# KiCad board pcb.kicad_pcb (continued)
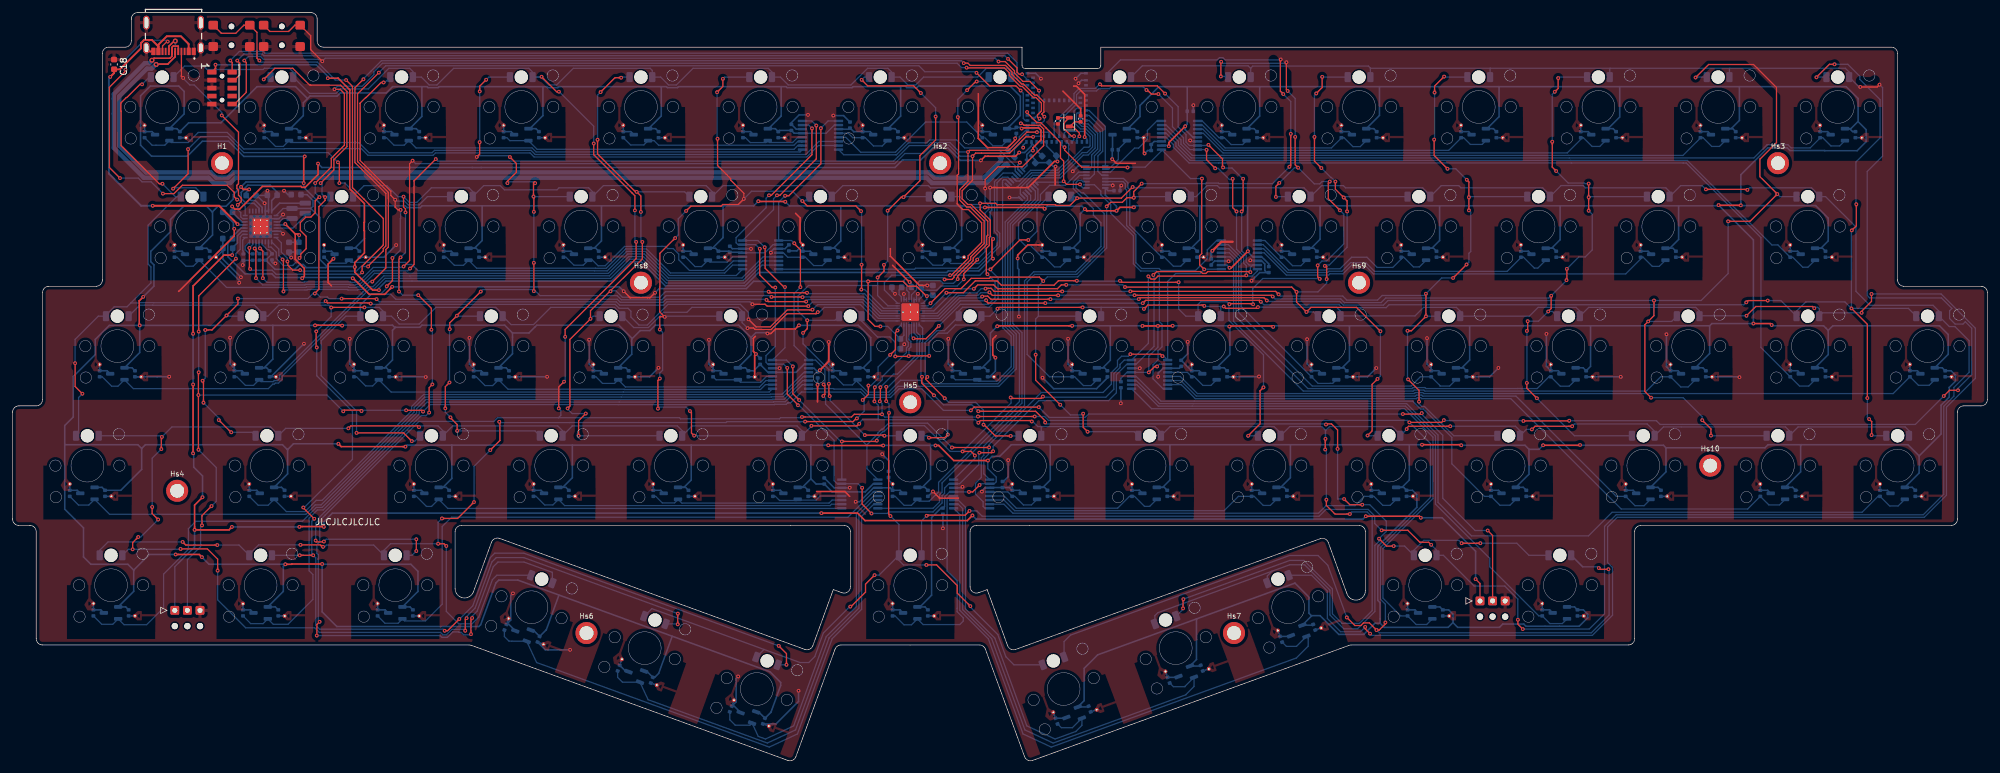
[diagram p0: board, top side]
## Routing (per net, layer and track width the routed paths; a pad name or vN(x,y) marks a point on that pad's centre or on a via; arc(x,y) is an arc through that point) (continued)
/SW0: length 925.5
  Top w0.2: v1(48.29,19.84) 48.31,19.86 48.31,21.6 v1(48.74,22.03) ; v1(239.84,53.95) 247.07,53.95 v1(247.11,53.99) ; v1(125.31,54.58) 133.18,54.58 133.61,55.01 v1(138.02,55.01) ; v1(98.79,87.42) 98.79,89.73 92.25,96.27 v1(92.25,98.05) ; v1(72.77,20.07) 72.77,22.46 v1(72.95,22.64) ; v1(296.38,107.4) 296.01,107.03 v1(293.31,107.03) ; v1(221.73,53.73) 226.86,53.73 v1(227.22,54.08) ; v1(87.72,67.32) 87.72,68.5 98.99,79.77 v1(98.99,82.4) ; v1(253.34,30.39) 252,30.39 v1(251.81,30.58) ; v1(211.8,22.73) 213.09,21.44 214.03,21.44 214.45,21.86 215.38,21.86 v1(216.53,20.72) 216.94,20.72 217.93,21.7 v1(217.93,21.93) ; v1(137.66,57.07) 137.76,57.17 v1(137.76,59.31) ; v1(86.7,55.95) 86.7,59.35 v1(87.54,60.19) ; v1(306.57,57.91) 307.49,58.83 v1(308.83,58.83) ; v1(83.98,108.65) 86.36,106.27 v1(86.73,106.27) ; v1(162.26,54.66) v1(153.25,54.66)
  Bottom w0.2: v1(251.81,30.58) 251.62,30.77 249.25,30.77 D70.2 249.25,30.77 ; D13.2 253.55,109.94 253.61,110 ; v1(92.25,98.05) 92.25,100.79 86.77,106.27 v1(86.73,106.27) ; D11.2 215.55,109.97 215.58,110 ; 272.6,110 272.55,109.95 D14.2 ; 272.6,110 253.61,110 ; 272.6,110 290.95,110 291.55,109.4 D15.2 293.12,107.03 v1(293.31,107.03) ; v1(137.76,59.31) 139.85,61.39 140.47,61.39 143.56,64.49 143.56,66.7 143.67,66.81 143.67,67.35 143.1,67.92 LEDDR1.11 ; v1(211.8,22.73) 208.78,31.03 207.24,32.57 202.7,32.57 167.94,19.91 166.92,18.89 D66.2 ; 253.61,110 234.57,110 ; v1(87.72,67.32) 87.72,60.37 v1(87.54,60.19) ; v1(153.25,54.66) 153.15,54.56 138.47,54.56 v1(138.02,55.01) 138.02,56.71 v1(137.66,57.07) ; 234.57,110 215.58,110 ; 234.57,110 234.55,109.98 D12.2 ; v1(306.57,57.91) 302.06,53.4 261.54,53.4 260.95,53.99 v1(247.11,53.99) ; D9.2 179.34,110.39 196.14,110.39 196.53,110 ; v1(72.77,20.07) 72.66,19.96 71.61,19.96 71.22,20.35 70.88,20.35 70.8,20.43 69.89,20.43 69.02,19.56 68.16,19.56 67.87,19.84 v1(48.29,19.84) ; D8.2 158.55,109.4 157.95,110 154.6,110 153.2,108.6 144.62,108.6 143.37,107.34 142.13,107.34 140.88,108.6 D7.2 139.55,109.4 138.95,110 135.74,110 133.08,107.34 123.13,107.34 121.88,108.6 D6.2 120.55,109.4 119.95,110 108.02,110 105.37,107.34 104.13,107.34 102.88,108.6 D5.2 101.55,109.65 101.2,110 89.02,110 86.37,107.34 85.13,107.34 83.88,108.6 D4.2 83.93,108.6 v1(83.98,108.65) ; v1(162.26,54.66) 163.83,54.66 164.45,54.04 221.42,54.04 v1(221.73,53.73) 225.08,50.38 225.08,41.78 217.15,33.85 217.15,25.61 217.93,24.83 v1(217.93,21.93) ; D1.2 27.3,110.35 30.35,110.35 30.89,109.8 39.78,109.8 39.97,110 43.95,110 44.55,109.4 D2.2 47.14,106.01 51.35,106.01 52.06,106.72 56.5,106.72 56.5,106.76 59.74,110 63.04,110 63.55,109.49 D3.2 64.88,108.6 66.13,107.34 67.37,107.34 70.02,110 81.95,110 82.55,109.4 ; 86.66,54.47 87.03,54.84 87.03,55.62 v1(86.7,55.95) ; 86.66,54.47 76.99,54.47 76.4,53.88 64.51,53.88 49.64,39 48.94,38.31 48.94,37.96 48.76,37.79 48.76,34.74 48.31,34.29 48.31,32.92 48.53,32.7 48.53,22.24 v1(48.74,22.03) ; 86.66,54.47 105.86,54.47 106.04,54.29 121.74,54.29 121.92,54.47 125.2,54.47 v1(125.31,54.58) ; 196.53,110 196.55,109.98 D10.2 ; 196.53,110 196.88,110.35 215.23,110.35 215.58,110 ; v1(253.34,30.39) 253.44,30.29 253.44,23.1 250.62,20.28 216.97,20.28 v1(216.53,20.72) ; v1(98.79,87.42) 98.79,82.6 v1(98.99,82.4) ; v1(72.95,22.64) 72.95,22.92 73.74,23.72 76.32,30.79 77.05,31.52 81.19,31.52 85.66,29.89 85.69,29.86 D62.2 ; v1(227.22,54.08) 227.29,54.01 239.78,54.01 v1(239.84,53.95) ; v1(296.38,107.4) 296.86,106.92 296.86,96.04 294.42,93.6 294.42,73.89 294.81,73.5 306.21,73.5 307.87,71.84 307.5,71.47 307.5,70.22 308.38,69.34 309.62,69.34 309.99,69.71 311.01,68.7 311.01,61.31 308.83,59.13 v1(308.83,58.83)
/SW1: length 687.6
  Top w0.2: v1(145.1,38.88) 145.21,38.99 151.25,38.99 v1(151.91,39.65) ; v1(27.85,97.15) 27.86,97.14 27.86,93.24 v1(25.48,90.86) ; v1(64.09,33.28) v1(64.09,35.15) ; v1(61.59,79.95) 61.34,79.7 v1(61.34,74.52) ; v1(66.48,68.46) 66.48,71.86 v1(64.4,73.94) ; v1(275.4,90.67) 275.31,90.76 v1(268.81,90.76) ; v1(217.33,36.57) 221.5,36.57 223.4,34.67 224.79,34.67 v1(225.2,34.27) ; v1(177.82,91.13) 177.78,91.13 176,89.35 v1(168.99,89.35) 167.84,88.19 165.67,88.19 165.56,88.31 156.28,88.31 156.05,88.54 v1(153.59,88.54) 153.59,87.49 155.21,85.87 155.21,83.29 155.04,83.12 155.04,81.83 154.58,81.37 154.58,77.44 v1(154.75,77.27) ; v1(51.87,91.75) 51.87,94.82 v1(51.65,95.05) ; v1(66.64,59.76) 66.13,59.24 v1(66.13,55.28) ; v1(238.96,22.35) 238.96,21.66 v1(239.74,20.88) ; v1(143.02,67.08) 143.09,67.01 145,67.01 v1(147.04,69.05) ; v1(48.11,34.94) 48.11,34.8 48.19,34.73 49.36,34.73 v1(49.42,34.78) ; v1(62.37,87.1) 62.37,87.63 62.06,87.94 v1(62.06,89.6)
  Bottom w0.2: v1(143.02,67.08) 142.7,67.4 LEDDR1.12 ; v1(239.74,20.88) 250.29,20.88 252.72,23.3 252.72,37.19 254.56,39.04 303.31,39.04 306.57,42.29 306.57,56.27 308.18,57.88 308.18,59.26 310.6,61.68 310.6,66.7 308.35,68.94 307.45,68.94 D72.2 305.8,71.4 304.87,72.33 294.85,72.33 292.63,74.54 292.63,84.77 287.81,89.6 D29.2 286.8,89.78 285.58,91 275.73,91 v1(275.4,90.67) ; v1(225.2,34.27) 226.05,33.42 D69.2 227.13,32.6 232.01,27.72 236.88,27.72 238.96,25.64 v1(238.96,22.35) ; v1(64.4,73.94) 61.92,73.94 v1(61.34,74.52) ; D65.2 144.3,38.08 v1(145.1,38.88) ; v1(217.33,36.57) 216.24,37.66 216.24,38.84 215.19,39.89 208.48,39.89 207.4,38.81 153.92,38.81 153.08,39.65 v1(151.91,39.65) ; v1(62.37,87.1) 62.37,80.73 v1(61.59,79.95) ; 49.42,34.88 49.41,34.87 49.41,34.79 v1(49.42,34.78) 49.78,35.15 v1(64.09,35.15) ; v1(177.82,91.13) 177.77,91.08 177.77,91.01 177.78,91 186.13,91 187.05,90.08 D24.2 187.88,89.6 189.63,91.35 191.25,91.35 191.6,91 205.01,91 206.05,89.96 D25.2 207.8,91.35 211.26,91.35 211.61,91 223.85,91 225.05,89.8 D26.2 226.8,91.35 229.58,91.35 229.93,91 242.9,91 244.05,89.85 D27.2 245.81,91.36 249.34,91.36 249.7,91 262.45,91 263.05,90.4 D28.2 264.8,91.35 268.22,91.35 v1(268.81,90.76) ; v1(168.99,89.35) 168.74,89.6 D23.2 ; v1(27.85,97.15) 29.85,99.15 34.14,99.15 36.7,96.59 50.11,96.59 v1(51.65,95.05) ; v1(48.11,34.94) 48.11,37.7 48.54,38.13 48.54,38.47 49.47,39.4 49.47,39.4 64.87,54.8 65.65,54.8 v1(66.13,55.28) ; D16.2 30.3,89.78 29.08,91 25.62,91 v1(25.48,90.86) ; v1(153.59,88.54) 153.4,88.34 151.63,88.34 150.38,89.6 D22.2 149.05,89.78 147.83,91 145.72,91 145.37,91.35 131.8,91.35 D21.2 130.05,89.78 128.48,91.35 112.8,91.35 D20.2 111.05,90.4 110.1,91.35 93.8,91.35 D19.2 92.05,90.4 91.45,91 86.74,91 86.42,90.68 78.08,90.68 77.41,91.35 74.8,91.35 D18.2 73.05,90.4 72.45,91 66.48,91 64.16,88.68 62.98,88.68 v1(62.06,89.6) 61.16,89.6 59.41,91.35 55.8,91.35 D17.2 54.05,90.45 52.75,91.75 v1(51.87,91.75) ; v1(64.09,33.28) 63.41,32.6 D61.2 ; v1(154.75,77.27) 154.75,77.25 155.96,76.05 155.96,73.52 154.93,72.49 150.48,72.49 v1(147.04,69.05) ; v1(66.64,59.76) 66.64,68.3 v1(66.48,68.46)
/SW2: length 652.2
  Top w0.2: v1(215.5,20.15) 214.72,20.92 v1(214.72,21.21) ; v1(189.18,72.24) 189.05,72.37 180.22,72.37 v1(179.6,71.75) ; v1(295.1,74.13) 295.1,72.95 293.47,71.31 293.47,71.2 v1(293.53,71.13) ; v1(121.62,18.21) 122.85,16.98 v1(122.85,15.2) ; v1(116.68,68.7) 116.71,68.73 117.62,68.73 117.86,68.49 120.44,68.49 122.94,70.99 127.57,70.99 v1(127.83,71.25) ; v1(286.02,71.87) 285.75,72.14 276.72,72.14 v1(275.25,70.67) ; v1(192.26,72.15) 192.56,71.85 197.51,71.85 v1(197.7,72.04) ; v1(46.15,40.2) 46.15,40.14 v1(47.89,38.4) ; v1(145.51,64.29) 142.27,64.29 v1(142.27,64.27) 142.21,64.21 v1(140.12,64.21) ; v1(45.57,32.6) 45.58,32.61 47.71,32.61 v1(47.72,32.6) ; v1(156.34,71.79) 156.41,71.79 156.62,72 v1(169.87,72) ; v1(50.57,71.98) 50.59,72 v1(55.85,72) ; v1(68.59,20.61) 69.05,20.61 v1(70.92,22.48) 70.78,22.34 ; v1(48.28,65.63) 48.18,65.74 48.18,68.15 v1(48.21,68.18)
  Bottom w0.2: v1(214.72,21.21) 213.97,20.45 210.81,20.45 208.72,22.55 208.72,26.92 206.21,29.42 D68.2 ; v1(48.28,65.63) 48.28,61.13 53.95,55.47 53.95,47.85 46.3,40.2 v1(46.15,40.2) ; v1(116.68,68.7) 115.8,69.58 D35.2 115.8,71.4 115.2,72 107.83,72 107.05,71.21 103.35,71.21 100.92,68.79 98.61,68.79 D34.2 96.8,70.78 95.58,72 85.44,72 82.7,69.26 79.14,69.26 D33.2 77.8,70.92 76.72,72 67.2,72 64.55,69.35 61.38,69.35 60.13,70.6 D32.2 58.8,71.4 58.2,72 v1(55.85,72) ; v1(145.51,64.29) 145.47,64.32 145.47,66.45 146.92,67.9 148.38,67.9 149.67,69.19 153.2,69.19 153.8,69.8 D37.2 155.15,70.6 v1(156.34,71.79) ; 84.7,31.65 v1(121.62,18.21) ; D39.2 191.8,72.07 191.72,72.15 ; v1(70.92,22.48) 70.97,22.48 73.05,24.56 75.85,32.24 76.54,32.93 81.16,32.93 84.78,31.62 ; 172.83,72 172.8,71.97 D38.2 ; 172.83,72 v1(169.87,72) ; 172.83,72 179.35,72 v1(179.6,71.75) ; v1(140.12,64.21) 140.12,66.45 139.27,67.3 137.3,67.3 134.8,69.8 D36.2 ; LEDDR1.13 142.3,66.88 142.6,66.57 142.6,65.7 142.3,65.4 142.3,64.3 v1(142.27,64.27) ; v1(189.18,72.24) 189.27,72.15 191.72,72.15 ; v1(293.53,71.13) 287.34,71.13 D44.2 286.8,71.77 286.56,72.01 286.16,72.01 v1(286.02,71.87) ; 191.72,72.15 v1(192.26,72.15) ; v1(127.83,71.25) 128.11,71.25 128.86,72 133.58,72 134.8,70.78 ; v1(295.1,74.13) 306.15,74.13 311.59,68.68 311.59,60.73 307,56.14 307,42.16 303.48,38.64 254.73,38.64 253.2,37.11 253.2,31.44 253.99,30.65 253.99,23.08 250.78,19.87 215.77,19.87 v1(215.5,20.15) ; v1(275.25,70.67) 267.87,70.67 D43.2 267.8,71.4 267.2,72 250.2,72 D42.2 248.8,71.4 248.2,72 242.18,72 240.78,70.6 D41.2 229.8,71.4 229.2,72 223.99,72 222.64,70.65 210.85,70.65 D40.2 210.8,71.4 210.18,72.02 198.46,72.02 198.44,72.04 v1(197.7,72.04) ; D64.2 122.85,15.19 v1(122.85,15.2) ; D60.2 v1(45.57,32.6) ; v1(47.89,38.4) 47.5,38.01 47.5,32.82 v1(47.72,32.6) 48.13,32.19 48.13,21.47 48.74,20.86 68.34,20.86 v1(68.59,20.61) ; 18.43,71.09 D30.2 20.16,72.34 20.99,72.34 21,72.35 22.25,72.35 22.26,72.34 38.4,72.34 39.8,70.94 D31.2 40.51,70.6 42.26,72.35 43.62,72.35 43.63,72.34 49.6,72.34 49.61,72.35 50.2,72.35 v1(50.57,71.98) 50.57,70.54 v1(48.21,68.18)
/SW3: length 546
  Top w0.2: v1(208.38,49.41) 208.38,51.07 v1(208.42,51.11) ; v1(241.19,52.61) 241.69,53.11 v1(247.58,53.11) ; v1(161.8,53.86) 161.66,54.01 153.65,54.01 v1(153.31,53.67) ; v1(134.41,53.49) 134.09,53.18 v1(126.8,53.18) ; v1(23.11,38.28) 22.16,39.23 v1(22.16,40.28) ; v1(19.06,33.55) 19.06,34.63 v1(19.94,35.51) ; v1(53.3,52.77) 53.69,53.17 64.31,53.17 v1(64.51,52.96) ; v1(136.88,59.31) 136.81,59.24 v1(136.81,57.06) ; v1(228.22,53.11) 221.61,53.11 221.31,52.81 v1(221.31,52.66) ; v1(145.47,51.29) 147.97,51.29 v1(148.46,51.78) ; v1(72.07,22.61) 71.86,22.4 v1(71.86,20.61) ; v1(32.55,30.16) 32.55,31.98 30.93,33.61 v1(26.66,33.61) ; v1(185.81,24.16) 185.81,25.58 v1(185.86,25.63) ; v1(23.7,51.41) 23.61,51.32 v1(23.61,49.48) ; v1(208.56,41.44) 208.56,40.53 209.93,39.16 v1(212.29,39.16) ; v1(105.59,21.63) 105.59,23.31 v1(105.61,23.33)
  Bottom w0.2: v1(145.47,51.29) 145.16,51.6 D51.2 ; v1(72.07,22.61) 72.07,22.86 73.42,24.22 76.09,31.54 76.78,32.23 81.15,32.23 v1(105.61,23.33) ; D67.2 185.81,24.02 v1(185.81,24.16) ; 137.42,54.15 134.9,54.15 134.41,53.66 v1(134.41,53.49) ; 137.42,54.15 137.42,56.45 v1(136.81,57.06) ; 137.42,54.15 148.46,54.15 ; v1(19.94,35.51) 20.34,35.51 v1(23.11,38.28) ; v1(105.59,21.63) 105.52,21.69 D63.2 ; D52.2 163.3,53.04 163.32,53.06 ; v1(247.58,53.11) 247.94,53.47 259.49,53.47 260.68,52.28 D57.2 262.08,53 281.45,53 282.05,52.4 D58.2 283.45,53 300.45,53 301.05,52.4 D71.2 ; D45.2 23.51,51.6 v1(23.7,51.41) 25.29,53 40.96,53 42.17,51.78 D46.2 43.35,52.77 v1(53.3,52.77) ; v1(241.19,52.61) 240.31,52.61 D56.2 239.3,52.39 238.58,53.11 v1(228.22,53.11) ; v1(22.16,40.28) 22.16,48.03 v1(23.61,49.48) ; v1(148.46,51.78) 148.46,54.15 ; 148.46,54.15 152.83,54.15 v1(153.31,53.67) ; v1(212.29,39.16) 212.62,39.49 215.03,39.49 215.83,38.68 215.83,23.8 213.81,21.78 211.04,21.78 209.52,23.3 209.52,27.25 204.99,31.78 202.74,31.78 v1(185.86,25.63) ; v1(71.86,20.61) 71.64,20.83 69.73,20.83 68.86,19.96 68.32,19.96 67.94,20.34 48.69,20.34 47.95,21.08 37,21.08 32.55,25.53 v1(32.55,30.16) ; v1(161.8,53.86) 161.94,53.86 162.75,53.06 163.32,53.06 ; 126.79,53.17 v1(126.8,53.18) 126.8,53.1 D50.2 125.3,52.4 124.53,53.17 107.87,53.17 D49.2 106.3,52.41 105.54,53.17 88.84,53.17 88.84,53.14 D48.2 87.3,52.4 86.53,53.17 69.87,53.17 D47.2 68.3,52.4 67.53,53.17 64.72,53.17 v1(64.51,52.96) ; v1(208.38,49.41) 208.56,49.23 v1(208.56,41.44) ; 163.32,53.06 181.34,53.06 182.3,52.1 D53.2 183.76,53.06 200.27,53.06 201.3,52.03 D54.2 202.76,53.06 207.84,53.06 208.42,52.48 v1(208.42,51.11) 208.42,52.4 209.08,53.06 219.02,53.06 220.3,51.78 D55.2 221.31,52.61 v1(221.31,52.66) ; v1(136.88,59.31) 138.05,60.48 138.05,60.97 141.9,64.82 141.9,65.57 142.2,65.87 142.2,66.41 141.9,66.71 LEDDR1.14 ; v1(26.66,33.61) 26.6,33.55 v1(19.06,33.55) 18.38,33.55 D59.2
/SWDCLK: length 132
  Top w0.2: v1(158.02,111.49) 159.45,110.06 159.45,109.4 159.81,109.05 v1(160.25,109.05) ; v1(35.67,111.22) 36.07,110.81 36.07,108.96 35.23,108.12 JTAG1.4
  Bottom w0.2: MDBT1.53 161.1,108.2 v1(160.25,109.05) ; v1(35.67,111.22) 36.73,112.27 39.61,112.27 39.89,112 157.51,112 v1(158.02,111.49)
/SWDIO: length 132.8
  Top w0.2: v1(34.56,111.22) 34.86,110.92 JTAG1.2
  Bottom w0.2: v1(34.56,111.22) 36.01,112.67 39.78,112.67 40.05,112.4 157.96,112.4 159.45,110.91 159.45,108.33 160.48,107.3 MDBT1.51
/USB_D+: length 167.7
  Top w0.25: Jusb1.B6 24.8,113.5 25.63,114.33 v2(25.83,114.33) ; v2(22.8,110.6) 22.86,110.66 24.64,110.66 25.8,111.82 Jusb1.A6
  Bottom w0.25: 25.82,114.33 v2(25.83,114.33) 25.83,113.39
  Bottom w0.7: R1.2 156.89,95.27 154.23,92.61 146.3,92.61 145.46,93.45 35.04,93.45 34.2,92.61 32.3,92.61 31.46,93.45 21.18,93.45 16.93,97.7 16.93,103.12 16.92,103.12 16.92,104.57 16.93,104.57 16.93,105.54 21.33,109.95 22.07,109.95 22.73,110.6 v2(22.8,110.6)
/USB_D-: length 169.7
  Top w0.25: Jusb1.B7 26.3,113.5 26.27,113.52 25.5,113.52 25.3,113.32 Jusb1.A7 25.3,111.89 25.01,111.6 22.45,111.6 v2(22.12,111.27)
  Bottom w0.7: R2.2 157.49,94.67 154.59,91.76 145.94,91.76 145.11,92.6 35.39,92.6 34.56,91.76 31.94,91.76 31.11,92.6 20.82,92.6 16.07,97.35 16.07,102.76 16.07,102.77 16.07,105.15 16.07,105.15 16.07,105.89 20.98,110.8 21.72,110.8 22.12,111.2 v2(22.12,111.27)
/VOUT2: length 20.8
  Bottom w0.25: PMIC1.28 39.12,87.75 38.34,88.53 37.06,88.53 36.29,89.3 36.29,90.27 36.92,90.9 36.92,91 37.34,91.42 40.88,91.42 41.99,90.31 C26.1 41.12,88.97 PMIC1.32 42.38,88.56 L2.1
/VSYS: length 155.2
  Top w0.2: 45.42,83.42 v1(45.49,83.49) ; v1(137.77,68.98) 136.92,68.98 135.81,70.09 v1(135.81,76.14) 141.36,76.14 142.14,75.36 143.49,75.36 143.78,75.06 143.8,75.06 145.06,73.79 v1(145.14,73.79)
  Top w0.25: v1(45.49,83.49) 45.3,83.68 44.86,83.68 ; v1(97.01,74.57) 98.04,73.54 101.2,73.54 v1(101.98,74.32) ; 44.86,83.68 v1(43.29,85.25) 43.29,85.19 ; 44.86,83.68 44.86,79.65 46.31,78.2 46.31,76.96 v1(45.97,76.62) ; v1(54,76.62) 54.08,76.62 56.62,74.07 59.07,74.07 v1(60.25,75.26)
  Bottom w0.2: C35.1 145.28,73.93 v1(145.14,73.79) 145.14,73.3 LEDDR1.1 ; LEDDR1.15 141.5,67.56 C36.1 138.93,68.98 v1(137.77,68.98) ; C11.1 45.43,83.43 v1(45.49,83.49)
  Bottom w0.25: v1(54,76.62) 53.87,76.75 46.1,76.75 v1(45.97,76.62) 45.85,76.75 41.75,76.75 41.17,77.32 36.91,77.32 34.16,80.06 34.16,82.18 C12.1 ; v1(43.29,85.25) 43.14,85.1 PMIC1.4 ; v1(97.01,74.57) 96.32,75.26 v1(60.25,75.26) ; 34.92,83.07 34.92,83.27 36.25,84.6 PMIC1.20 ; v1(135.81,76.14) 117.63,76.14 116.49,74.99 102.65,74.99 v1(101.98,74.32) ; C10.1 45.42,82.34
Net-(BAT1-NTC): length 302.3
  Top w0.2: v1(55.39,55.53) 55.25,55.67 52.68,55.67 v1(52.49,55.48) ; 220.78,55.12 v1(220.71,55.05) 223.55,55.05 v1(223.7,55.2) ; v1(29.51,49.37) 29.5,49.38 v1(29.5,58.07) 29.5,61.65 v1(29.54,61.69) ; v1(152.12,55.63) 152.64,56.15 v1(162.91,56.15) ; v1(65.16,55.44) 64.95,55.65 v1(62.47,55.65) ; v1(29.54,68.15) 29.55,68.16 29.55,73.83 v1(35.45,79.73) ; BAT2.2 234.95,35.76 v1(234.17,36.54) ; v1(31.58,40.43) 30.06,38.91 v1(30.06,37.35)
  Bottom w0.2: v1(223.7,55.2) 223.7,55.02 227.04,51.68 227.04,41.67 232.17,36.54 v1(234.17,36.54) ; v1(35.45,79.73) 35.45,80.54 36.13,81.21 36.13,83.21 36.51,83.6 PMIC1.18 ; v1(220.71,55.05) 170.81,55.05 170.27,54.51 164.55,54.51 v1(162.91,56.15) ; v1(30.06,37.35) 29.84,37.12 29.84,33.98 27.75,31.89 BAT1.2 ; v1(152.12,55.63) 147.77,55.63 144.34,59.05 140.74,59.05 139.38,57.7 135.46,57.7 134.61,58.55 125.23,58.55 123.51,56.83 123.21,56.83 123.04,56.82 123.01,56.79 123.01,56.79 122.81,56.6 120.99,56.6 120.94,56.54 96.13,56.54 66.27,56.55 v1(65.16,55.44) ; v1(29.5,58.07) 49.9,58.07 v1(52.49,55.48) ; v1(29.54,68.15) v1(29.54,61.69) ; v1(55.39,55.53) 55.51,55.65 v1(62.47,55.65) ; v1(29.51,49.37) 32.33,46.55 32.33,41.18 v1(31.58,40.43)
Net-(Jusb1-CC1): length 32.1
  Top w0.2: v1(33.2,102.51) 35.86,99.85 35.86,91.65 35.61,91.4 35.61,90.87 35.86,90.62 35.86,89.82 36.3,89.38 36.3,88.83 v1(35.75,88.29) ; v1(27.07,108.46) 26.8,108.73 Jusb1.A5
  Bottom w0.2: v1(35.75,88.29) 35.75,87.52 36.22,87.05 36.22,86.38 36.51,86.1 PMIC1.23 ; v1(27.07,108.46) 27.07,108.4 28.13,107.34 28.83,107.34 33.2,102.98 v1(33.2,102.51)
Net-(Jusb1-CC2): length 55.4
  Top w0.2: v1(17.91,109.75) 17.91,109.52 15.37,106.99 15.37,94.22 v1(17.05,92.55) ; v1(23.86,90.08) 25.62,90.08 26.94,91.4 34.07,91.4 35.19,90.28 35.19,89.57 v1(35.65,89.11) ; Jusb1.B5 23.8,113.54 24.49,114.24 v1(24.62,114.24)
  Bottom w0.2: PMIC1.24 36.92,88.07 35.88,89.11 v1(35.65,89.11) ; v1(17.91,109.75) 17.91,111.46 20.9,114.45 24.41,114.45 v1(24.62,114.24) ; v1(23.86,90.08) 21.99,91.95 20.55,91.95 19.96,92.55 v1(17.05,92.55)
Net-(LEDDR1-VCAP): length 2.3
  Bottom w0.2: C34.2 140.73,74.78 140.73,74.04 141.1,73.67 LEDDR1.25
Net-(MDBT1-D+): length 4.8
  Bottom w0.2: MDBT1.35 160.79,100.1 159.81,99.11 159.81,98.59 158.16,96.94 R1.1
  Bottom w0.25: 161.13,100.06 160.97,100.06
Net-(MDBT1-D-): length 4.4
  Bottom w0.2: MDBT1.34 161,99.3 160.21,98.51 160.21,98.31 159.04,97.14 R2.1
Net-(MDBT1-P0.00/XL1): length 5.7
  Top w0.2: v1(169.35,99.18) 169.35,99.7 168.3,100.75 Y1.1 167.85,100.75 168.59,101.49 C2.1
  Bottom w0.2: MDBT1.17 168.95,98.78 v1(169.35,99.18)
Net-(MDBT1-P0.01/XL2): length 7.1
  Top w0.2: C4.1 166.05,102.11 166.09,102.15 Y1.2 166.9,101.29 166.9,100.4 168.09,99.21 v1(168.5,99.21)
  Bottom w0.2: v1(168.5,99.21) 168.45,99.16 168.45,98.6 MDBT1.18
Net-(PMIC1-SHPHLD): length 85.4
  Top w0.2: v1(37.59,81.44) 37.59,78.21 v1(37.7,78.1) ; v1(52.94,108.12) 53.95,107.11 53.95,91.02 55.75,89.23 55.75,89.22 56.63,88.34 56.63,88.34 58.85,86.13 58.85,81.92 55.48,78.55 v1(55.48,77.55) ; SW2.2 33.14,115.56 35.42,115.56 36.71,116.85 SW2.2 38.8,115.7 38.8,111.6 v1(39.18,111.22)
  Bottom w0.2: v1(55.48,77.55) 55.19,77.27 41.83,77.27 41.19,77.91 37.89,77.91 v1(37.7,78.1) ; v1(52.94,108.12) 51.23,108.12 48.38,110.98 39.42,110.98 v1(39.18,111.22) ; v1(37.59,81.44) 38.12,81.98 PMIC1.15
Net-(PMIC1-SW1): length 2.8
  Bottom w0.2: L1.2 42.9,86.12 42.38,85.6 PMIC1.3
Net-(PMIC1-SW2): length 5.8
  Bottom w0.2: L2.2 46.46,86.56 44.5,84.6 PMIC1.5
Net-(PMIC1-VBUS): length 60.8
  Top w0.3: Jusb1.A4 27.95,113.85 26.71,115.09 24.48,115.09 23.15,113.76 Jusb1.A9 23.15,113.45 22.1,114.5 21.7,114.5 21.64,114.44 21.58,114.5 20.88,114.5 20.38,114 20.38,113.17 17.04,109.83 C18.1 16.11,109.24 v1(15.5,108.63) ; v1(35.71,85.23) 32.79,88.15 v1(22.25,88.15)
  Bottom w0.3: v1(15.5,108.63) 15.29,108.42 15.29,93.26 20.4,88.15 v1(22.25,88.15) ; v1(35.71,85.23) 35.84,85.1 PMIC1.21
Net-(PMIC1-VSET1): length 2.8
  Bottom w0.2: R5.2 36.64,80.89 36.53,81 36.53,82.7 PMIC1.17
Net-(PMIC1-VSET2): length 3
  Bottom w0.2: PMIC1.16 36.93,81.7 36.93,81.17 37.59,80.51 R6.2

## Copper pours and planes (outline as drawn; the poured copper is in the pictures)
GND on Top: -10.9,121.25 317.64,118.83 319.23,-23.22 -10.15,-23.05

Small or netless copper shapes (teardrops, artwork), in the pictures only: 469 on Top, 1366 on Bottom

## Text on the board
User.Eco2: NOTE: Cavity in the housing should account for pcb depth (1.2mm) and heights of: / - USB connector GCT USB4215 (shorter) or USB4105 (3.2mm + .7mm gap above) / - JLink connector Semtec CLP-105-2 (2.35+.35mm) / - Tact switches (1.8+.6mm) / - Use 0.8mm pcb plate to cover the hole / - Bottom thickness is 5mm, use blind holes for keycap shaft
